# KiCad board pcb-solder.kicad_pcb
title: Synth Labs 060 Soldered PCB; date: 2021-09-14; rev: 1.0; company: 0xCB; note: Conor Burns
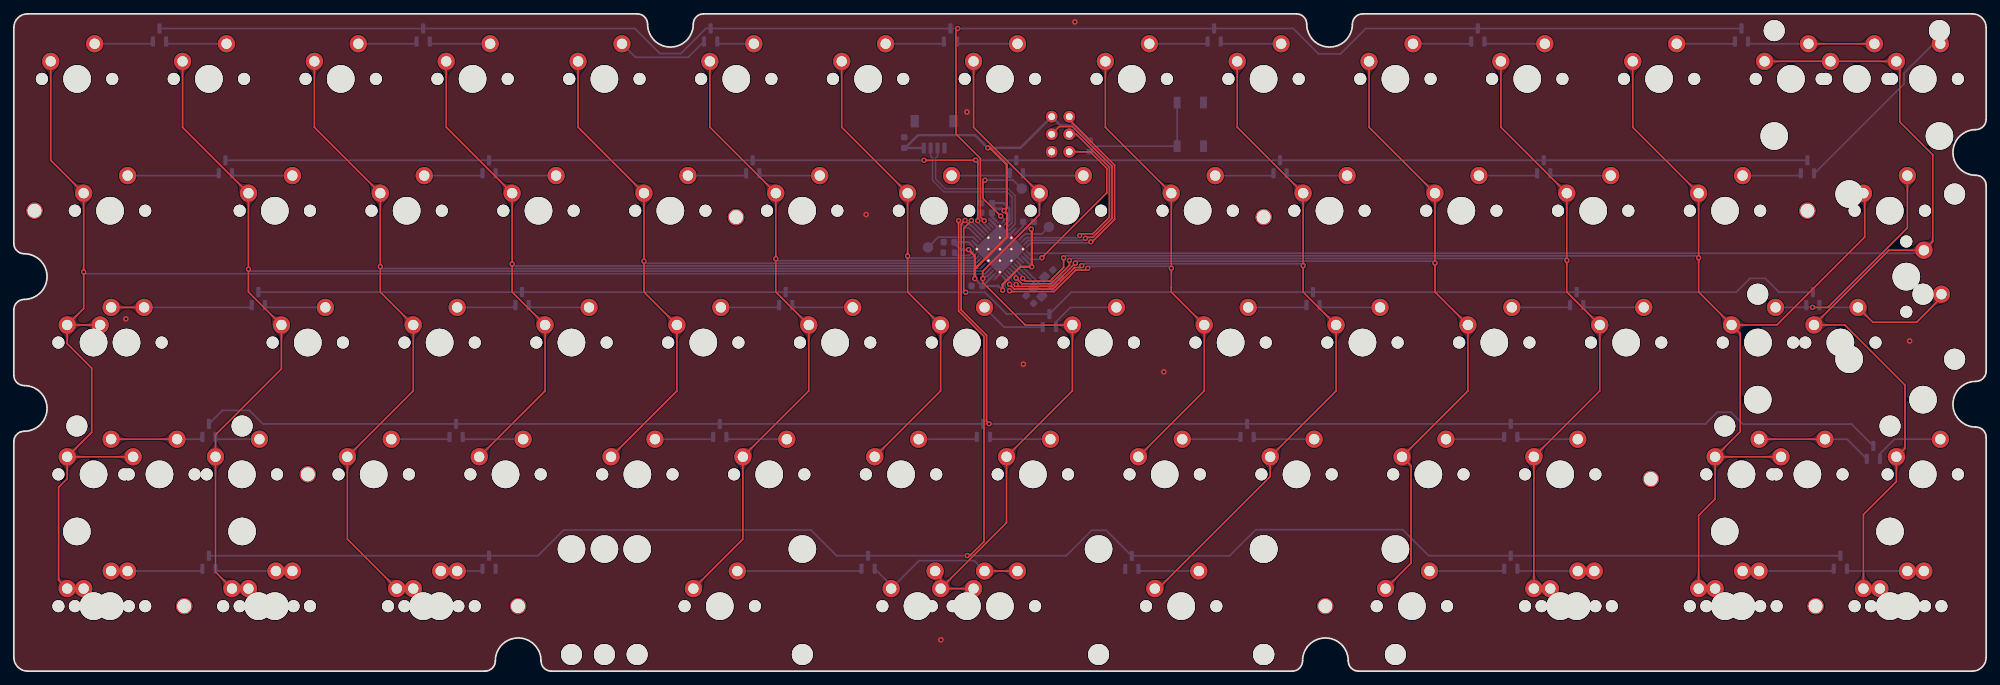
[diagram p0: board, top side]
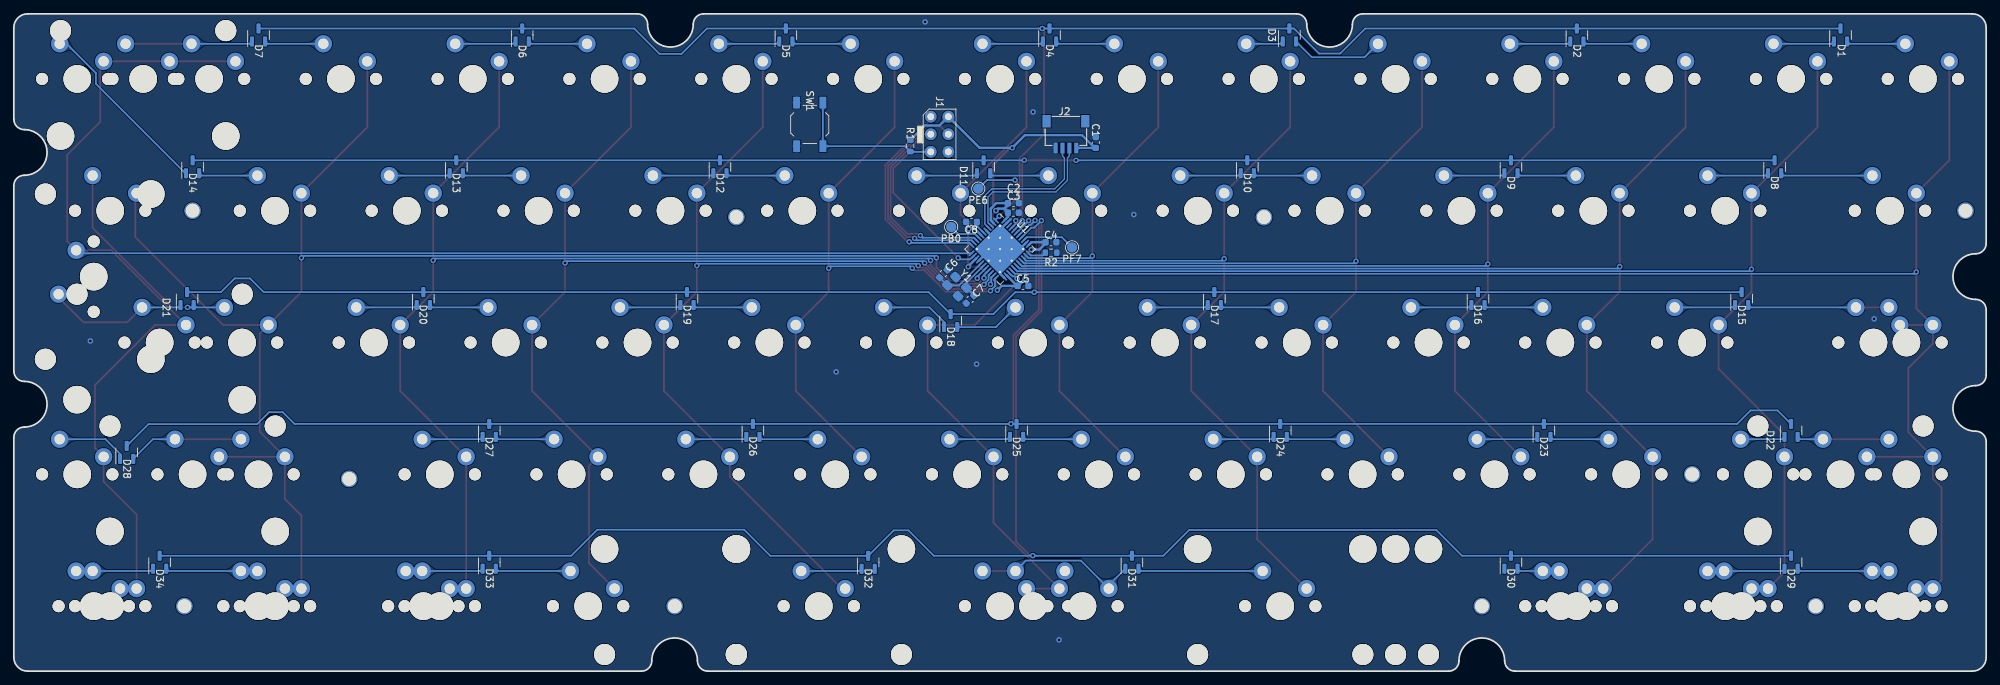
[diagram p1: board, bottom side, seen from below]

Outline 285 x 95 mm; copper layers: Top, Bottom. Coordinates in mm from the lower left corner of the outline.
Outline path: 0,93 0,61.83 arc(0.44,60.76) 1.5,60.33 arc(4.8,57.03) 1.5,53.72 arc(0.44,53.29) 0,52.22 0,42.78 arc(0.44,41.71) 1.5,41.28 arc(4.8,37.97) 1.5,34.68 arc(0.44,34.24) 0,33.18 0,2 arc(0.59,0.59) 2,0 68.08,0 arc(69.14,0.44) 69.58,1.5 arc(72.88,4.8) 76.18,1.5 arc(76.62,0.44) 77.68,0 184.72,0 arc(185.78,0.44) 186.22,1.5 arc(189.52,4.8) 192.82,1.5 arc(193.26,0.44) 194.32,0 283,0 arc(284.41,0.59) 285,2 285,33.78 arc(284.56,34.84) 283.5,35.28 arc(280.2,38.58) 283.5,41.88 arc(284.56,42.32) 285,43.38 285,70.17 arc(284.56,71.23) 283.5,71.67 arc(280.2,74.97) 283.5,78.27 arc(284.56,78.71) 285,79.77 285,93 arc(284.41,94.41) 283,95 194.92,95 arc(193.86,94.56) 193.42,93.5 arc(190.12,90.2) 186.83,93.5 arc(186.39,94.56) 185.33,95 99.67,95 arc(98.61,94.56) 98.17,93.5 arc(94.88,90.2) 91.57,93.5 arc(91.14,94.56) 90.07,95 2,95 arc(0.59,94.41) 0,93
Stack: Top 0.035mm / dielectric 1.51mm FR4 er 4.5 / Bottom 0.035mm

## Placement (name value [footprint] x y rotation side)
C1  1u  [C_0603_1608Metric]  128.66 76.4 270 bottom
C2  100n  [C_0603_1608Metric]  140.55 67.65 0 bottom
C3  100n  [C_0603_1608Metric]  140.56 66.26 0 bottom
C4  100n  [C_0603_1608Metric]  135.13 61.99 0 bottom
C5  100n  [C_0603_1608Metric]  139.17 55.68 0 bottom
C6  22p  [C_0603_1608Metric]  150.68 57.44 315 bottom
C7  22p  [C_0603_1608Metric]  146.82 53.72 135 bottom
C8  1u  [C_0603_1608Metric]  146.62 64.93 180 bottom
D1  BAV70  [SOT-23]  21.04 91.94 90 bottom
D2  BAV70  [SOT-23]  59.14 91.94 90 bottom
D3  BAV70  [SOT-23]  100.69 91.95 90 bottom
D4  BAV70  [SOT-23]  135.34 91.94 90 bottom
D5  BAV70  [SOT-23]  173.44 91.94 90 bottom
D6  BAV70  [SOT-23]  211.54 91.94 90 bottom
D7  BAV70  [SOT-23]  249.64 91.94 90 bottom
D8  BAV70  [SOT-23]  30.57 72.89 90 bottom
D9  BAV70  [SOT-23]  68.67 72.89 90 bottom
D10  BAV70  [SOT-23]  106.77 72.89 90 bottom
D11  BAV70  [SOT-23]  144.87 72.89 90 bottom
D12  BAV70  [SOT-23]  182.97 72.89 90 bottom
D13  BAV70  [SOT-23]  221.07 72.89 90 bottom
D14  BAV70  [SOT-23]  259.17 72.89 90 bottom
D15  BAV70  [SOT-23]  35.33 53.84 90 bottom
D16  BAV70  [SOT-23]  73.43 53.84 90 bottom
D17  BAV70  [SOT-23]  111.53 53.84 90 bottom
D18  BAV70  [SOT-23]  149.63 50.67 90 bottom
D19  BAV70  [SOT-23]  187.73 53.84 90 bottom
D20  BAV70  [SOT-23]  225.83 53.84 90 bottom
D21  BAV70  [SOT-23]  259.96 53.84 90 bottom
D22  BAV70  [SOT-23]  28.19 34.79 90 bottom
D23  BAV70  [SOT-23]  63.91 34.79 90 bottom
D24  BAV70  [SOT-23]  102.01 34.79 90 bottom
D25  BAV70  [SOT-23]  140.11 34.79 90 bottom
D26  BAV70  [SOT-23]  178.21 34.79 90 bottom
D27  BAV70  [SOT-23]  216.31 34.79 90 bottom
D28  BAV70  [SOT-23]  268.69 31.62 90 bottom
D29  BAV70  [SOT-23]  28.19 15.74 90 bottom
D30  BAV70  [SOT-23]  68.67 15.74 90 bottom
D31  BAV70  [SOT-23]  123.44 15.74 90 bottom
D32  BAV70  [SOT-23]  161.55 15.73 90 bottom
D33  BAV70  [SOT-23]  216.31 15.74 90 bottom
D34  BAV70  [SOT-23]  263.93 15.74 90 bottom
G***  LOGO  [oshw]  177.35 7.37 0 top
G***#2  LOGO  [oshwa]  184.28 7.29 0 top
G***#3  Synth Labs  [SL]  87.77 9.37 0 top
G***#4  -  [0xCB]  153.59 9.28 0 top
J1  AVR-ISP-6  [AVR_PROG_2.54_THT]  151.23 77.6 270 bottom
J2  Conn_01x04  [JST-SR-4]  132.97 80.38 0 bottom
MX1  2  [SW_Cherry_MX_PCB_2.00u]  266.31 85.59 0 top
MX2  MX  [SW_Cherry_MX_PCB_1.00u]  9.14 85.59 0 top
MX3  MX  [SW_Cherry_MX_PCB_1.00u]  28.19 85.59 0 top
MX4  MX  [SW_Cherry_MX_PCB_1.00u]  47.24 85.59 0 top
MX5  MX  [SW_Cherry_MX_PCB_1.00u]  66.29 85.59 0 top
MX6  MX  [SW_Cherry_MX_PCB_1.00u]  85.34 85.59 0 top
MX7  MX  [SW_Cherry_MX_PCB_1.00u]  104.39 85.59 0 top
MX8  MX  [SW_Cherry_MX_PCB_1.00u]  123.44 85.59 0 top
MX9  MX  [SW_Cherry_MX_PCB_1.00u]  142.49 85.59 0 top
MX10  MX  [SW_Cherry_MX_PCB_1.00u]  161.54 85.59 0 top
MX11  MX  [SW_Cherry_MX_PCB_1.00u]  180.59 85.59 0 top
MX12  MX  [SW_Cherry_MX_PCB_1.00u]  199.64 85.59 0 top
MX13  MX  [SW_Cherry_MX_PCB_1.00u]  218.69 85.59 0 top
MX14  MX  [SW_Cherry_MX_PCB_1.00u]  237.74 85.59 0 top
MX15  MX  [SW_Cherry_MX_PCB_1.00u]  256.79 85.59 0 top
MX16  MX  [SW_Cherry_MX_PCB_1.00u]  275.84 85.59 0 top
MX17  1.5  [SW_Cherry_MX_PCB_1.50u]  13.9 66.54 0 top
MX18  MX  [SW_Cherry_MX_PCB_1.00u]  37.71 66.54 0 top
MX19  MX  [SW_Cherry_MX_PCB_1.00u]  56.76 66.54 0 top
MX20  MX  [SW_Cherry_MX_PCB_1.00u]  75.81 66.54 0 top
MX21  MX  [SW_Cherry_MX_PCB_1.00u]  94.86 66.54 0 top
MX22  MX  [SW_Cherry_MX_PCB_1.00u]  113.91 66.54 0 top
MX23  MX  [SW_Cherry_MX_PCB_1.00u]  132.96 66.54 0 top
MX24  MX  [SW_Cherry_MX_PCB_1.00u]  152.01 66.54 0 top
MX25  MX  [SW_Cherry_MX_PCB_1.00u]  171.06 66.54 0 top
MX26  MX  [SW_Cherry_MX_PCB_1.00u]  190.11 66.54 0 top
MX27  MX  [SW_Cherry_MX_PCB_1.00u]  209.16 66.54 0 top
MX28  MX  [SW_Cherry_MX_PCB_1.00u]  228.21 66.54 0 top
MX29  MX  [SW_Cherry_MX_PCB_1.00u]  247.26 66.54 0 top
MX30  1.5  [SW_Cherry_MX_PCB_1.50u]  271.08 66.54 0 top
MX31  1.75  [SW_Cherry_MX_PCB_1.75u]  16.28 47.49 0 top
MX32  MX  [SW_Cherry_MX_PCB_1.00u]  42.48 47.49 0 top
MX33  MX  [SW_Cherry_MX_PCB_1.00u]  61.53 47.49 0 top
MX34  MX  [SW_Cherry_MX_PCB_1.00u]  80.58 47.49 0 top
MX35  MX  [SW_Cherry_MX_PCB_1.00u]  99.63 47.49 0 top
MX36  MX  [SW_Cherry_MX_PCB_1.00u]  118.68 47.49 0 top
MX37  MX  [SW_Cherry_MX_PCB_1.00u]  137.73 47.49 0 top
MX38  MX  [SW_Cherry_MX_PCB_1.00u]  156.78 47.49 0 top
MX39  MX  [SW_Cherry_MX_PCB_1.00u]  175.83 47.49 0 top
MX40  MX  [SW_Cherry_MX_PCB_1.00u]  194.88 47.49 0 top
MX41  MX  [SW_Cherry_MX_PCB_1.00u]  213.93 47.49 0 top
MX42  MX  [SW_Cherry_MX_PCB_1.00u]  232.98 47.49 0 top
MX43  MX  [SW_Cherry_MX_PCB_1.00u]  252.03 47.49 0 top
MX44  2.25  [SW_Cherry_MX_PCB_2.25u]  263.93 47.49 0 top
MX45  iso  [SW_Cherry_MX_PCB_ISOEnter_Rotated90]  273.46 57.02 270 top
MX46  2.25  [SW_Cherry_MX_PCB_2.25u]  21.04 28.44 0 top
MX47  1.25  [SW_Cherry_MX_PCB_1.25u]  11.52 28.44 0 top
MX48  MX  [SW_Cherry_MX_PCB_1.00u]  32.95 28.44 0 top
MX49  MX  [SW_Cherry_MX_PCB_1.00u]  52 28.44 0 top
MX50  MX  [SW_Cherry_MX_PCB_1.00u]  71.05 28.44 0 top
MX51  MX  [SW_Cherry_MX_PCB_1.00u]  90.1 28.44 0 top
MX52  MX  [SW_Cherry_MX_PCB_1.00u]  109.15 28.44 0 top
MX53  MX  [SW_Cherry_MX_PCB_1.00u]  128.2 28.44 0 top
MX54  MX  [SW_Cherry_MX_PCB_1.00u]  147.25 28.44 0 top
MX55  MX  [SW_Cherry_MX_PCB_1.00u]  166.3 28.44 0 top
MX56  MX  [SW_Cherry_MX_PCB_1.00u]  185.35 28.44 0 top
MX57  MX  [SW_Cherry_MX_PCB_1.00u]  204.4 28.44 0 top
MX58  MX  [SW_Cherry_MX_PCB_1.00u]  223.45 28.44 0 top
MX59  1.75  [SW_Cherry_MX_PCB_1.75u]  249.64 28.44 0 top
MX60  MX  [SW_Cherry_MX_PCB_1.00u]  275.84 28.44 0 top
MX61  2.75  [SW_Cherry_MX_PCB_2.75u]  259.17 28.44 0 top
MX62  1.5  [SW_Cherry_MX_PCB_1.50u]  13.9 9.39 0 top
MX63  1.25  [SW_Cherry_MX_PCB_1.25u]  11.52 9.39 0 top
MX64  MX  [SW_Cherry_MX_PCB_1.00u]  37.71 9.39 0 top
MX65  1.5  [SW_Cherry_MX_PCB_1.50u]  61.53 9.39 0 top
MX66  1.25  [SW_Cherry_MX_PCB_1.25u]  59.14 9.39 0 top
MX67  2.75  [SW_Cherry_MX_PCB_2.75u]  102.01 9.39 0 top
MX68  MX  [SW_Cherry_MX_PCB_1.00u]  137.73 9.39 0 top
MX69  2.25  [SW_Cherry_MX_PCB_2.25u]  168.68 9.39 0 top
MX70  1.25  [SW_Cherry_MX_PCB_1.25u]  202.02 9.39 0 top
MX71  1.25  [SW_Cherry_MX_PCB_1.25u]  225.83 9.39 0 top
MX72  MX  [SW_Cherry_MX_PCB_1.00u]  247.26 9.39 0 top
MX73  1.5  [SW_Cherry_MX_PCB_1.50u]  271.08 9.39 0 top
MX74  6.25  [SW_Cherry_MX_PCB_6.25u]  130.58 9.39 0 top
MX75  1.5  [SW_Cherry_MX_PCB_1.50u]  223.45 9.39 0 top
MX76  1.25  [SW_Cherry_MX_PCB_1.25u]  249.64 9.39 0 top
MX77  1.25  [SW_Cherry_MX_PCB_1.25u]  273.46 9.39 0 top
MX78  7  [SW_Cherry_MX_PCB_7.00u]  142.49 9.39 0 top
MX79  1.25  [SW_Cherry_MX_PCB_1.25u]  35.33 9.39 0 top
MX80  MX  [SW_Cherry_MX_PCB_1.25u]  11.52 47.49 0 top
NOREF  -  [unnamed]  24.62 9.4 0 top
NOREF#2  -  [unnamed]  42.48 28.45 0 top
NOREF#3  -  [unnamed]  236.54 27.79 0 top
NOREF#4  -  [unnamed]  72.86 9.4 0 top
NOREF#5  -  [unnamed]  2.99 66.55 0 top
NOREF#6  -  [unnamed]  189.51 9.4 0 top
NOREF#7  -  [unnamed]  104.36 65.61 0 top
NOREF#8  -  [unnamed]  260.36 9.4 0 top
NOREF#9  -  [unnamed]  180.59 65.63 0 top
NOREF#10  -  [unnamed]  259.17 66.55 0 top
PB0  TestPoint  [TestPoint_Pad_D1.5mm]  149.56 64.2 180 bottom
PE6  TestPoint  [TestPoint_Pad_D1.5mm]  145.64 69.74 180 bottom
PF7  TestPoint  [TestPoint_Pad_D1.5mm]  132.09 61.24 180 bottom
R1  10k  [R_0603_1608Metric]  155.47 75.92 90 bottom
R2  10k  [R_0603_1608Metric]  135.12 60.48 0 bottom
REF**  -  [Stabilizer_Cherry_MX_6.25u]  130.58 9.39 180 top
REF**#2  -  [Stabilizer_Cherry_MX_7u]  142.49 9.39 180 top
REF**#3  -  [Stabilizer_Cherry_MX_2u]  263.93 47.49 0 top
REF**#4  -  [Stabilizer_Cherry_MX_2u]  21.04 28.44 0 top
REF**#5  -  [Stabilizer_Cherry_MX_2u]  259.17 28.44 0 top
REF**#6  -  [Stabilizer_Cherry_MX_2u]  102.01 9.39 180 top
REF**#7  -  [Stabilizer_Cherry_MX_2u]  273.46 57.02 270 top
REF**#8  -  [Stabilizer_Cherry_MX_2u]  168.68 9.39 180 top
REF**#9  -  [Stabilizer_Cherry_MX_2u]  266.31 85.59 0 top
SW1  SW_Push  [SW_SPST_TL3342]  169.99 79.02 90 bottom
U1  ATMEGA32U4  [QFN-44-1EP_7x7mm_P0.5mm_EP5.2x5.2mm_ThermalVias]  142.49 60.99 225 bottom
Y1  16MHz  [Crystal_SMD_3225-4Pin_3.2x2.5mm]  148.74 55.58 225 bottom

## Library data of the parts
C1-C8 = -: Description: Unpolarized capacitor, small symbol
D1-D34 = -: Description: Dual 100V 215mA high-speed switching diodes, common cathode, SOT-23
J1 = -: Description: Atmel 6-pin ISP connector
J2 = -: Description: Generic connector, single row, 01x04, script generated (kicad-library-utils/schlib/autogen/connector/)
PB0 PE6 PF7 = -: Description: test point
R1 R2 = -: Description: Resistor
REF** REF**#2-REF**#9 = -: Field4: REF**
SW1 = -: Description: Push button switch, generic, two pins
Y1 = -: Description: Four pin crystal, GND on pins 2 and 4, small symbol

## Footprints (pads in the part's own frame, mm; a bottom-side part is the same pattern mirrored in y, then rotated)
AVR_PROG_2.54_THT
  round 1.7 hole 1: 1(-2.54,-1.27) 2(-2.54,1.27) 3(0,-1.27) 4(0,1.27) 5(2.54,-1.27) 6(2.54,1.27)
C_0603_1608Metric
  rrect 0.9x0.95 smd: 1(-0.775,0) 2(0.775,0)
Crystal_SMD_3225-4Pin_3.2x2.5mm
  rrect 1.4x1.2 smd: 1(-1.1,-0.85) 2(1.1,-0.85) 3(1.1,0.85) 4(-1.1,0.85)
JST-SR-4
  rect 1.2x1.8 smd: (-2.8,0.9) (2.8,0.9)
  rect 0.6x1.55 smd: 1(-1.5,4.775) 2(-0.5,4.775) 3(0.5,4.775) 4(1.5,4.775)
QFN-44-1EP_7x7mm_P0.5mm_EP5.2x5.2mm_ThermalVias
  rrect 1.007x1.007 smd: (-1.762,-1.762) (-1.762,-0.588) (-1.762,0.588) (-1.762,1.762) (-0.588,-1.762) (-0.588,-0.588) (-0.588,0.588) (-0.588,1.762) (0.588,-1.762) (0.588,-0.588) (0.588,0.588) (0.588,1.762) (1.762,-1.762) (1.762,-0.588) (1.762,0.588) (1.762,1.762)
  rrect 1.075x0.25 smd: 1(-3.337,2.5) 2(-3.337,2) 3(-3.337,1.5) 4(-3.337,1) 5(-3.337,0.5) 6(-3.337,0) 7(-3.337,-0.5) 8(-3.337,-1) 9(-3.337,-1.5) 10(-3.337,-2) 11(-3.337,-2.5) 23(3.337,-2.5) 24(3.337,-2) 25(3.337,-1.5) 26(3.337,-1) 27(3.337,-0.5) 28(3.337,0) 29(3.337,0.5) 30(3.337,1) 31(3.337,1.5) 32(3.337,2) 33(3.337,2.5)
  rrect 0.25x1.075 smd: 12(-2.5,-3.337) 13(-2,-3.337) 14(-1.5,-3.337) 15(-1,-3.337) 16(-0.5,-3.337) 17(0,-3.337) 18(0.5,-3.337) 19(1,-3.337) 20(1.5,-3.337) 21(2,-3.337) 22(2.5,-3.337) 34(2.5,3.337) 35(2,3.337) 36(1.5,3.337) 37(1,3.337) 38(0.5,3.337) 39(0,3.337) 40(-0.5,3.337) 41(-1,3.337) 42(-1.5,3.337) 43(-2,3.337) 44(-2.5,3.337)
  round 0.5 hole 0.3: 45(-2.35,-2.35) 45(-2.35,0) 45(-2.35,2.35) 45(-1.175,-1.175) 45(-1.175,1.175) 45(0,-2.35) 45(0,0) 45(0,2.35) 45(1.175,-1.175) 45(1.175,1.175) 45(2.35,-2.35) 45(2.35,0) 45(2.35,2.35)
  rect 5.2x5.2 smd: 45(0,0) 45(0,0)
R_0603_1608Metric
  rrect 0.8x0.95 smd: 1(-0.825,0) 2(0.825,0)
SOT-23
  rrect 1.475x0.6 smd: 1(-0.938,0.95) 2(-0.938,-0.95) 3(0.938,0)
Stabilizer_Cherry_MX_2u
  round 3.048 hole 3.048 unplated: (-11.938,6.985) (11.938,6.985)
  round 3.988 hole 3.988 unplated: (-11.938,-8.255) (11.938,-8.255)
Stabilizer_Cherry_MX_6.25u
  round 3.048 hole 3.048 unplated: (-50,6.985) (50,6.985)
  round 3.988 hole 3.988 unplated: (-50,-8.255) (50,-8.255)
Stabilizer_Cherry_MX_7u
  round 3.048 hole 3.048 unplated: (-57.15,6.985) (57.15,6.985)
  round 3.988 hole 3.988 unplated: (-57.15,-8.255) (57.15,-8.255)
SW_Cherry_MX_PCB_1.00u
  round 1.75 hole 1.75 unplated: (-5.08,0) (5.08,0)
  round 4 hole 4 unplated: (0,0)
  round 2.5 hole 1.5: 1(-3.81,2.54) 2(2.54,5.08)
SW_Cherry_MX_PCB_1.25u
  round 1.75 hole 1.75 unplated: (-5.08,0) (5.08,0)
  round 4 hole 4 unplated: (0,0)
  round 2.5 hole 1.5: 1(-3.81,2.54) 2(2.54,5.08)
SW_Cherry_MX_PCB_1.50u
  round 1.75 hole 1.75 unplated: (-5.08,0) (5.08,0)
  round 4 hole 4 unplated: (0,0)
  round 2.5 hole 1.5: 1(-3.81,2.54) 2(2.54,5.08)
SW_Cherry_MX_PCB_1.75u
  round 1.75 hole 1.75 unplated: (-5.08,0) (5.08,0)
  round 4 hole 4 unplated: (0,0)
  round 2.5 hole 1.5: 1(-3.81,2.54) 2(2.54,5.08)
SW_Cherry_MX_PCB_2.00u
  round 1.75 hole 1.75 unplated: (-5.08,0) (5.08,0)
  round 4 hole 4 unplated: (0,0)
  round 2.5 hole 1.5: 1(-3.81,2.54) 2(2.54,5.08)
SW_Cherry_MX_PCB_2.25u
  round 1.75 hole 1.75 unplated: (-5.08,0) (5.08,0)
  round 4 hole 4 unplated: (0,0)
  round 2.5 hole 1.5: 1(-3.81,2.54) 2(2.54,5.08)
SW_Cherry_MX_PCB_2.75u
  round 1.75 hole 1.75 unplated: (-5.08,0) (5.08,0)
  round 4 hole 4 unplated: (0,0)
  round 2.5 hole 1.5: 1(-3.81,2.54) 2(2.54,5.08)
SW_Cherry_MX_PCB_6.25u
  round 1.75 hole 1.75 unplated: (-5.08,0) (5.08,0)
  round 4 hole 4 unplated: (0,0)
  round 2.5 hole 1.5: 1(-3.81,2.54) 2(2.54,5.08)
SW_Cherry_MX_PCB_7.00u
  round 1.75 hole 1.75 unplated: (-5.08,0) (5.08,0)
  round 4 hole 4 unplated: (0,0)
  round 2.5 hole 1.5: 1(-3.81,2.54) 2(2.54,5.08)
SW_Cherry_MX_PCB_ISOEnter_Rotated90
  round 1.75 hole 1.75 unplated: (-5.08,0) (5.08,0)
  round 4 hole 4 unplated: (0,0)
  round 2.5 hole 1.5: 1(-3.81,2.54) 2(2.54,5.08)
SW_SPST_TL3342
  rect 1.7x1 smd: 1(-3.15,1.9) 1(3.15,1.9) 2(-3.15,-1.9) 2(3.15,-1.9)
TestPoint_Pad_D1.5mm
  round 1.5 smd: 1(0,0)
unnamed
  round 2.4 hole 2 unplated: (0,0)

## Nets
GND: C1.1 C2.1 C3.1 C4.1 C5.1 C6.1 C7.1 C8.1 J1.6 J2.4 R2.1 SW1.1 U1.5 U1.15 U1.23 U1.35 U1.43 U1.45 Y1.2 Y1.4
VCC: C1.2 C2.2 C3.2 C4.2 C5.2 J1.2 J2.1 R1.2 U1.2 U1.7 U1.14 U1.24 U1.34 U1.44
/D+: J2.3 U1.4
/D-: J2.2 U1.3
/MISO: J1.1 U1.11
/MOSI: J1.4 U1.10
/SCK: J1.3 U1.9
/XTAL1: C6.2 U1.16 Y1.1
/XTAL2: C7.2 U1.17 Y1.3
C0: MX2.1 MX17.1 MX31.1 MX46.1 MX47.1 MX62.1 MX63.1 MX80.1 U1.26
C1: MX3.1 MX18.1 MX32.1 MX48.1 MX64.1 MX79.1 U1.27
C2: MX4.1 MX19.1 MX33.1 MX49.1 MX65.1 MX66.1 U1.28
C3: MX5.1 MX20.1 MX34.1 MX50.1 U1.29
C4: MX6.1 MX21.1 MX35.1 MX51.1 U1.30
C5: MX7.1 MX22.1 MX36.1 MX52.1 MX67.1 U1.31
C6: MX8.1 MX23.1 MX37.1 MX53.1 U1.32
C7: MX9.1 MX24.1 MX38.1 MX54.1 MX68.1 MX74.2 MX78.1 U1.25
C8: MX10.1 MX25.1 MX39.1 MX55.1 U1.22
C9: MX11.1 MX26.1 MX40.1 MX56.1 MX69.1 U1.21
C10: MX12.1 MX27.1 MX41.1 MX57.1 MX70.1 U1.20
C11: MX13.1 MX28.1 MX42.1 MX58.1 MX71.1 MX75.1 U1.19
C12: MX14.1 MX29.1 MX30.1 MX43.1 MX59.1 MX61.1 MX72.1 MX76.1 U1.18
C13: MX1.1 MX15.1 MX16.1 MX44.1 MX45.1 MX60.1 MX73.1 MX77.1 U1.12
R0: D1.3 D2.3 D3.3 D4.3 D5.3 D6.3 D7.3 U1.41
R1: D8.3 D9.3 D10.3 D11.3 D12.3 D13.3 D14.3 U1.40
R2: D15.3 D16.3 D17.3 D18.3 D19.3 D20.3 D21.3 U1.39
R3: D22.3 D23.3 D24.3 D25.3 D26.3 D27.3 D28.3 U1.38
R4: D29.3 D30.3 D31.3 D32.3 D33.3 D34.3 U1.37
RST: J1.5 R1.1 SW1.2 U1.13
Net-(D1-A1): D1.1 MX3.2
Net-(D1-A2): D1.2 MX2.2
Net-(D2-A1): D2.1 MX5.2
Net-(D2-A2): D2.2 MX4.2
Net-(D3-A1): D3.1 MX7.2
Net-(D3-A2): D3.2 MX6.2
Net-(D4-A1): D4.1 MX9.2
Net-(D4-A2): D4.2 MX8.2
Net-(D5-A1): D5.1 MX11.2
Net-(D5-A2): D5.2 MX10.2
Net-(D6-A1): D6.1 MX13.2
Net-(D6-A2): D6.2 MX12.2
Net-(D7-A1): D7.1 MX1.2 MX15.2
Net-(D7-A2): D7.2 MX14.2
Net-(D8-A1): D8.1 MX18.2
Net-(D8-A2): D8.2 MX17.2
Net-(D9-A1): D9.1 MX20.2
Net-(D9-A2): D9.2 MX19.2
Net-(D10-A1): D10.1 MX22.2
Net-(D10-A2): D10.2 MX21.2
Net-(D11-A1): D11.1 MX24.2
Net-(D11-A2): D11.2 MX23.2
Net-(D12-A1): D12.1 MX26.2
Net-(D12-A2): D12.2 MX25.2
Net-(D13-A1): D13.1 MX28.2
Net-(D13-A2): D13.2 MX27.2
Net-(D14-A1): D14.1 MX16.2
Net-(D14-A2): D14.2 MX29.2
Net-(D15-A1): D15.1 MX32.2
Net-(D15-A2): D15.2 MX31.2 MX80.2
Net-(D16-A1): D16.1 MX34.2
Net-(D16-A2): D16.2 MX33.2
Net-(D17-A1): D17.1 MX36.2
Net-(D17-A2): D17.2 MX35.2
Net-(D18-A1): D18.1 MX38.2
Net-(D18-A2): D18.2 MX37.2
Net-(D19-A1): D19.1 MX40.2
Net-(D19-A2): D19.2 MX39.2
Net-(D20-A1): D20.1 MX42.2
Net-(D20-A2): D20.2 MX41.2
Net-(D21-A1): D21.1 MX44.2 MX45.2
Net-(D21-A2): D21.2 MX30.2 MX43.2
Net-(D22-A1): D22.1 MX48.2
Net-(D22-A2): D22.2 MX46.2 MX47.2
Net-(D23-A1): D23.1 MX50.2
Net-(D23-A2): D23.2 MX49.2
Net-(D24-A1): D24.1 MX52.2
Net-(D24-A2): D24.2 MX51.2
Net-(D25-A1): D25.1 MX54.2
Net-(D25-A2): D25.2 MX53.2
Net-(D26-A1): D26.1 MX56.2
Net-(D26-A2): D26.2 MX55.2
Net-(D27-A1): D27.1 MX58.2
Net-(D27-A2): D27.2 MX57.2
Net-(D28-A1): D28.1 MX60.2
Net-(D28-A2): D28.2 MX59.2 MX61.2
Net-(D29-A1): D29.1 MX64.2 MX79.2
Net-(D29-A2): D29.2 MX62.2 MX63.2
Net-(D30-A2): D30.2 MX65.2 MX66.2
Net-(D31-A1): D31.1 MX68.2 MX74.1 MX78.2
Net-(D31-A2): D31.2 MX67.2
Net-(D32-A1): D32.1 MX69.2
Net-(D33-A1): D33.1 MX71.2 MX75.2
Net-(D33-A2): D33.2 MX70.2
Net-(D34-A1): D34.1 MX73.2 MX77.2
Net-(D34-A2): D34.2 MX72.2 MX76.2
Net-(U1-PB0): PB0.1 U1.8
Net-(U1-PE2/~{HWB}): R2.2 U1.33
Net-(U1-PE6): PE6.1 U1.1
Net-(U1-PF7): PF7.1 U1.36
Net-(U1-UCap): C8.2 U1.6

Pads without a net: D30 1; D32 2; U1 42

## Via types
v1: diameter 0.8, hole 0.4, Top to Bottom, 56 vias

## Routing (per net, layer and track width the routed paths; a pad name or vN(x,y) marks a point on that pad's centre or on a via; arc(x,y) is an arc through that point)
GND: length 20.8
  Bottom w0.35: U1.45 142.49,61.69 U1.5 ; U1.45 142.49,63.82 U1.43 141.52,64.76 140.97,65.32 ; U1.45 142.49,57.46 141.9,56.86 U1.23 ; U1.45 143.9,60.99 U1.15 ; U1.45 139.66,60.99 U1.35
  vias: v1(16.19,50.91) v1(123.16,65.99) v1(133.96,4.53) v1(137.72,80.82) v1(145.88,44.37) v1(153.32,93.84) v1(166.17,43.26) v1(273.95,47.72)
VCC: length 99
  Top w0.35: v1(147.02,63.89) 147.1,63.82 v1(147.1,58.44) 145.42,58.44 142.88,55.9 v1(142.88,55.05) ; v1(140.73,75.63) 141.05,75.63 143.48,73.2 143.48,66.96 v1(143.08,66.56) 143.08,66.54 143.53,66.09 143.53,62.81 138.86,58.14 v1(138.86,56.72) 138.86,60.03 v1(137.97,60.93)
  Bottom w0.35: 141.87,66.85 142.8,66.85 v1(143.08,66.56) ; 141.87,66.85 141.34,66.31 C3.2 141.34,65.67 U1.44 ; 141.87,66.85 141.33,67.39 C2.2 143.05,67.65 143.83,66.86 143.83,65.16 U1.2 ; v1(140.73,75.63) 140.72,75.63 ; v1(140.73,75.63) 145.46,75.63 J1.2 151.23,78.87 153.34,78.87 R1.2 ; v1(140.73,75.63) 138.89,77.47 130.65,77.47 128.8,75.62 C1.2 131.46,75.62 J2.1 ; C5.2 139.91,55.68 v1(138.86,56.72) ; C5.2 142.26,55.68 v1(142.88,55.05) ; C5.2 140,55.68 U1.24 ; v1(147.1,58.44) 147.1,58.5 U1.14 ; v1(137.97,60.93) 136.81,60.93 135.91,61.83 C4.2 137.95,61.99 U1.34 ; U1.7 146.21,64 146.91,64 v1(147.02,63.89)
/D+: length 22
  Bottom w0.2: U1.4 144.14,64.09 144.69,64.64 144.69,68.72 143.69,69.72 134.6,69.72 133.2,71.12 133.2,74.17 133.47,74.44 J2.3
/D-: length 21.6
  Bottom w0.2: J2.2 132.47,74.44 132.75,74.17 132.75,70.93 134.41,69.27 143.5,69.27 144.24,68.54 144.24,64.82 143.82,64.41 U1.3
/MISO: length 31.6
  Top w0.25: v1(155.62,62.05) 155.82,62.05 159.07,65.3 159.07,73.13 152.5,79.69 J1.1
  Bottom w0.25: v1(155.62,62.05) 155.47,61.9 146.93,61.9 U1.11
/MOSI: length 33
  Top w0.25: v1(154.84,62.55) 154.99,62.71 155.94,62.71 158.69,65.45 158.69,72.97 152.96,78.7 151.07,78.7 J1.4
  Bottom w0.25: U1.10 146.6,62.28 154.56,62.28 v1(154.84,62.55)
/SCK: length 28.8
  Top w0.25: v1(154.01,62.96) 154.25,63.21 155.91,63.21 158.31,65.61 158.31,72.82 153.53,77.6 J1.3
  Bottom w0.25: U1.9 146.28,62.65 153.7,62.65 v1(154.01,62.96)
/XTAL1: length 7.8
  Bottom w0.25: U1.16 148.42,55.76 Y1.1 150.12,55.78 C6.2
/XTAL2: length 5.8
  Bottom w0.25: U1.17 147.36,56.12 Y1.3 146.27,54.32 C7.2
C0: length 230.8
  Top w0.25: MX80.1 MX31.1 ; MX80.1 7.71,47.34 11.25,43.8 11.25,34.52 MX47.1 ; MX80.1 10.09,52.41 10.09,57.69 v1(10.09,57.69) 10.09,57.7 MX17.1 5.33,73.85 MX2.1 ; MX47.1 7.71,27.81 6.46,26.56 6.46,13.18 MX63.1 MX62.1 ; MX47.1 MX46.1
  Bottom w0.25: v1(10.09,57.69) 10.35,57.43 140.35,57.43 U1.26
C1: length 196.3
  Top w0.25: MX3.1 24.38,78.61 MX18.1 33.9,54.8 MX32.1 38.67,43.68 29.14,34.16 MX48.1 29.14,14.31 MX79.1 MX64.1
  Bottom w0.25: v1(33.9,58.09) 34.18,57.81 140.02,57.81 U1.27
C2: length 178.9
  Top w0.25: MX65.1 MX66.1 48.19,19.08 MX49.1 57.72,40.51 MX33.1 52.95,54.8 52.95,69.08 43.43,78.61 MX4.1
  Bottom w0.25: v1(52.95,58.46) 53.23,58.19 139.69,58.19 U1.28
C3: length 135.1
  Top w0.25: MX50.1 76.77,40.51 MX34.1 72,54.8 v1(72,58.84) MX20.1 62.48,78.61 MX5.1
  Bottom w0.25: U1.29 139.36,58.57 72.28,58.57 v1(72,58.84)
C4: length 115.7
  Top w0.25: MX51.1 95.82,40.51 MX35.1 91.05,54.8 v1(91.05,59.25) MX21.1 81.53,78.61 MX6.1
  Bottom w0.25: v1(91.05,59.25) 91.36,58.94 139.03,58.94 U1.30
C5: length 118.3
  Top w0.25: MX7.1 100.58,78.61 MX22.1 v1(110.1,59.61) 110.1,54.8 MX36.1 114.87,40.51 MX52.1 105.34,19.08 MX67.1
  Bottom w0.25: v1(110.1,59.61) 110.39,59.32 138.7,59.32 U1.31
C6: length 76.8
  Top w0.25: MX8.1 119.63,78.61 MX23.1 v1(129.15,60) 129.15,54.8 MX37.1 133.92,40.51 MX53.1
  Bottom w0.25: v1(129.15,60) 129.45,59.7 138.37,59.7 U1.32
C7: length 109.9
  Top w0.25: MX74.2 133.92,13.68 MX68.1 ; MX78.1 MX68.1 ; MX68.1 143.44,21.46 MX54.1 152.97,40.51 MX38.1 152.95,50.02 146.15,50.02 140.02,56.15 v1(140.02,56.73) 140.02,57.81 148.2,65.99 MX24.1 138.68,78.61 MX9.1
  Bottom w0.25: U1.25 140.68,57.06 140.34,57.06 v1(140.02,56.73)
C8: length 94.3
  Top w0.25: v1(143.88,54.98) 144,54.86 150.33,54.86 153.43,57.96 154.9,57.96 v1(155.18,58.23) ; MX10.1 157.73,78.61 MX25.1 167.25,58.24 v1(167.26,58.23) 167.26,55.44 167.25,55.43 167.25,54.8 MX39.1 172.02,40.51 MX55.1
  Bottom w0.25: v1(167.26,58.23) 166.98,58.51 155.45,58.51 v1(155.18,58.23) ; U1.22 143.23,56.71 143.23,55.63 v1(143.88,54.98)
C9: length 139.1
  Top w0.25: MX11.1 176.78,78.61 MX26.1 186.3,58.62 v1(186.31,58.61) 186.3,58.6 186.3,54.8 MX40.1 191.07,40.51 MX56.1 181.54,28.12 165.36,11.93 MX69.1 ; v1(143.88,55.91) 144.55,55.23 150.17,55.23 153.27,58.34 154.04,58.34 v1(154.32,58.61)
  Bottom w0.25: v1(154.32,58.61) 154.59,58.89 186.04,58.89 v1(186.31,58.61) ; U1.21 143.78,56.87 143.78,56.01 v1(143.88,55.91)
C10: length 152.5
  Top w0.25: v1(153.39,58.99) 150.01,55.61 145.1,55.61 v1(144.82,55.89) ; MX70.1 201.88,15.61 201.88,29.69 MX57.1 210.12,40.51 MX41.1 205.35,54.8 205.35,58.98 v1(205.36,58.99) 205.35,58.99 MX27.1 195.83,78.61 MX12.1
  Bottom w0.25: U1.20 144.15,57.2 144.15,56.55 v1(144.82,55.89) ; v1(153.39,58.99) 153.67,59.26 205.08,59.26 v1(205.36,58.99)
C11: length 171.8
  Top w0.25: v1(144.81,56.82) 145.64,55.99 149.86,55.99 152.53,58.66 v1(152.53,59.37) ; MX71.1 MX75.1 MX58.1 229.17,40.51 MX42.1 224.4,54.8 224.4,59.35 v1(224.42,59.37) 224.4,59.38 MX28.1 214.88,78.61 MX13.1
  Bottom w0.25: v1(224.42,59.37) 224.14,59.64 152.81,59.64 v1(152.53,59.37) ; U1.19 144.81,57.25 v1(144.81,56.82)
C12: length 230.2
  Top w0.25: 267.45,69.08 267.45,62.74 254.74,50.03 MX43.1 ; MX14.1 233.93,78.61 MX29.1 243.45,59.75 v1(243.45,59.74) 243.45,59.74 243.45,54.8 MX43.1 ; MX59.1 249.47,34.61 249.47,48.78 MX43.1 ; MX59.1 245.83,24.89 243.45,22.5 MX72.1 MX76.1 ; MX59.1 MX61.1 ; v1(151.69,59.74) 151.69,58.35 149.7,56.37 146.19,56.37 v1(145.78,56.77)
  Bottom w0.25: v1(243.45,59.74) 243.17,60.02 151.96,60.02 v1(151.69,59.74) ; v1(145.78,56.77) 145.78,56.99 U1.18
C13: length 250
  Top w0.25: MX15.1 MX16.1 272.52,87.64 272.52,79.39 277.28,74.62 277.28,62.12 MX45.1 270.92,60.83 MX44.1 264.58,50.03 273.28,41.33 273.28,32.23 MX60.1 272.03,27.4 267.27,22.64 MX73.1 MX77.1
  Bottom w0.25: U1.12 275.56,60.4 MX45.1
R0: length 265.5
  Top w0.25: v1(140.22,65.11) 139.67,65.66 139.67,74.09 136.14,77.62 136.14,92.63 v1(136.39,92.88)
  Bottom w0.25: v1(140.22,65.11) 140.22,64.67 U1.41 ; D7.3 D6.3 195.36,92.88 191.69,89.21 188.52,89.21 184.85,92.88 D5.3 v1(136.39,92.88) D4.3 100.69,92.88 D3.3 100.02,92.89 96.39,89.26 93.35,89.26 89.73,92.88 D2.3 D1.3
R1: length 239.4
  Top w0.25: v1(131.51,73.83) 138.94,73.83 v1(138.97,73.86) 139.29,73.54 v1(139.29,65.11)
  Bottom w0.25: v1(138.97,73.86) 139.01,73.83 D11.3 D14.3 ; v1(131.51,73.83) 131.51,73.83 D10.3 D8.3 ; U1.40 140.48,63.72 139.29,64.91 v1(139.29,65.11)
R2: length 242.3
  Top w0.25: v1(137.54,54.76) 137.27,55.03 137.27,64.03 v1(138.37,65.13)
  Bottom w0.25: D15.3 D17.3 137.52,54.78 v1(137.54,54.76) 140.31,54.76 143.46,51.61 D18.3 152.81,54.78 D19.3 D20.3 248.89,54.78 250.87,56.76 253.09,56.76 255.07,54.78 D21.3 ; v1(138.37,65.13) 138.37,65.09 140.11,63.35
R3: length 279.4
  Top w0.25: v1(140.92,35.75) 140.56,36.12 140.56,48.55 136.89,52.22 136.89,64.58 137.44,65.13 v1(137.44,65.15)
  Bottom w0.25: D28.3 265.55,35.7 249.85,35.7 248.12,37.43 246.14,37.43 244.44,35.73 216.31,35.73 D27.3 140.95,35.73 v1(140.92,35.75) 140.9,35.73 D23.3 35.99,35.73 34.03,37.69 30.15,37.69 D22.3 ; v1(137.44,65.15) 137.44,65.13 138.09,64.47 138.29,64.47 139.77,62.99 U1.38
R4: length 300.1
  Top w0.25: v1(137.76,16.71) 138.15,16.71 140.18,18.73 140.18,48.39 136.51,52.06 v1(136.51,65.13)
  Bottom w0.25: D29.3 75.73,16.68 79.45,20.4 115.17,20.4 118.89,16.68 D31.3 123.44,16.68 137.74,16.68 v1(137.76,16.71) 137.79,16.68 152.06,16.68 155.73,20.35 157.85,20.35 161.53,16.67 175.69,16.67 179.47,20.45 200.69,20.45 204.46,16.68 D33.3 D34.3 ; U1.37 137.97,64.1 137.54,64.1 v1(136.51,65.13)
RST: length 48.1
  Top w0.25: J1.5 155.53,75.06 157.93,72.66 157.93,69.15 148.55,59.77 v1(148.55,59.74)
  Bottom w0.25: U1.13 146.31,60.04 146.84,59.51 148.32,59.51 v1(148.55,59.74) ; SW1.2 SW1.2 156.25,75.87 R1.1 155.44,75.06 J1.5
Net-(D1-A1): length 8.9
  Bottom w0.25: MX3.2 22.33,90.67 D1.1
Net-(D1-A2): length 8.6
  Bottom w0.25: D1.2 19.76,90.67 MX2.2
Net-(D2-A1): length 8.9
  Bottom w0.25: D2.1 60.43,90.67 MX5.2
Net-(D2-A2): length 8.6
  Bottom w0.25: D2.2 57.86,90.67 MX4.2
Net-(D3-A1): length 5.4
  Bottom w0.25: D3.1 101.98,90.67 MX7.2
Net-(D3-A2): length 13.6
  Bottom w0.25: MX6.2 89.83,88.72 97.45,88.72 D3.2
Net-(D4-A1): length 8.9
  Bottom w0.25: MX9.2 136.63,90.67 D4.1
Net-(D4-A2): length 8.6
  Bottom w0.25: D4.2 134.06,90.67 MX8.2
Net-(D5-A1): length 8.9
  Bottom w0.25: MX11.2 174.73,90.67 D5.1
Net-(D5-A2): length 8.6
  Bottom w0.25: D5.2 172.16,90.67 MX10.2
Net-(D6-A1): length 8.9
  Bottom w0.25: MX13.2 212.83,90.67 D6.1
Net-(D6-A2): length 8.6
  Bottom w0.25: D6.2 210.26,90.67 MX12.2
Net-(D7-A1): length 18.4
  Top w0.25: MX15.2 268.85,90.67
  Bottom w0.25: D7.1 250.93,90.67 MX15.2
Net-(D7-A2): length 8.6
  Bottom w0.25: D7.2 248.36,90.67 MX14.2
Net-(D8-A1): length 8.9
  Bottom w0.25: MX18.2 31.85,71.62 D8.1
Net-(D8-A2): length 13.3
  Bottom w0.25: D8.2 29.29,71.62 MX17.2
Net-(D9-A1): length 8.9
  Bottom w0.25: D9.1 69.95,71.62 MX20.2
Net-(D9-A2): length 8.6
  Bottom w0.25: MX19.2 67.39,71.62 D9.2
Net-(D10-A1): length 8.9
  Bottom w0.25: MX22.2 108.05,71.62 D10.1
Net-(D10-A2): length 8.6
  Bottom w0.25: D10.2 105.49,71.62 MX21.2
Net-(D11-A1): length 8.9
  Bottom w0.25: D11.1 146.15,71.62 MX24.2
Net-(D11-A2): length 8.6
  Bottom w0.25: D11.2 143.59,71.62 MX23.2
Net-(D12-A1): length 8.9
  Bottom w0.25: MX26.2 184.25,71.62 D12.1
Net-(D12-A2): length 8.6
  Bottom w0.25: D12.2 181.69,71.62 MX25.2
Net-(D13-A1): length 8.9
  Bottom w0.25: D13.1 222.35,71.62 MX28.2
Net-(D13-A2): length 8.6
  Bottom w0.25: MX27.2 219.79,71.62 D13.2
Net-(D14-A1): length 26.9
  Bottom w0.25: MX16.2 277.38,90.67 273.14,86.43 273.14,84.89 260.21,71.96 D14.1
Net-(D14-A2): length 8.6
  Bottom w0.25: D14.2 257.89,71.62 MX29.2
Net-(D15-A1): length 8.9
  Bottom w0.25: D15.1 36.61,52.57 MX32.2
Net-(D15-A2): length 20.5
  Top w0.25: MX80.2 MX31.2
  Bottom w0.25: D15.2 34.05,52.57 MX31.2
Net-(D16-A1): length 8.9
  Bottom w0.25: D16.1 74.71,52.57 MX34.2
Net-(D16-A2): length 8.6
  Bottom w0.25: MX33.2 72.15,52.57 D16.2
Net-(D17-A1): length 8.9
  Bottom w0.25: D17.1 112.81,52.57 MX36.2
Net-(D17-A2): length 8.6
  Bottom w0.25: MX35.2 110.25,52.57 D17.2
Net-(D18-A1): length 10.3
  Bottom w0.25: MX38.2 152.69,52.57 150.58,50.47 D18.1
Net-(D18-A2): length 9.6
  Bottom w0.25: D18.2 143.09,49.73 140.27,52.55 MX37.2
Net-(D19-A1): length 8.9
  Bottom w0.25: D19.1 189.01,52.57 MX40.2
Net-(D19-A2): length 8.6
  Bottom w0.25: MX39.2 186.45,52.57 D19.2
Net-(D20-A1): length 8.9
  Bottom w0.25: D20.1 227.11,52.57 MX42.2
Net-(D20-A2): length 8.6
  Bottom w0.25: D20.2 224.55,52.57 MX41.2
Net-(D21-A1): length 20.6
  Top w0.25: MX44.2 268.63,50.42 274.94,50.42 278.54,54.02 MX45.2
  Bottom w0.25: D21.1 261.25,52.57 MX44.2
Net-(D21-A2): length 31.6
  Top w0.25: v1(259.91,52.58) 262.12,52.58 273.62,64.07 MX30.2
  Bottom w0.25: MX43.2 258.68,52.57 D21.2 259.34,52.58 v1(259.91,52.58)
Net-(D22-A1): length 6.5
  Bottom w0.25: D22.1 29.47,33.52 MX48.2
Net-(D22-A2): length 13.3
  Top w0.25: MX47.2 MX46.2
  Bottom w0.25: MX46.2 26.91,33.52 D22.2
Net-(D23-A1): length 8.9
  Bottom w0.25: D23.1 65.19,33.52 MX50.2
Net-(D23-A2): length 8.6
  Bottom w0.25: MX49.2 62.62,33.52 D23.2
Net-(D24-A1): length 8.9
  Bottom w0.25: D24.1 103.29,33.52 MX52.2
Net-(D24-A2): length 8.6
  Bottom w0.25: MX51.2 100.72,33.52 D24.2
Net-(D25-A1): length 8.9
  Bottom w0.25: D25.1 141.39,33.52 MX54.2
Net-(D25-A2): length 8.6
  Bottom w0.25: D25.2 138.82,33.52 MX53.2
Net-(D26-A1): length 8.9
  Bottom w0.25: MX56.2 179.49,33.52 D26.1
Net-(D26-A2): length 8.6
  Bottom w0.25: D26.2 176.92,33.52 MX55.2
Net-(D27-A1): length 8.9
  Bottom w0.25: MX58.2 217.59,33.52 D27.1
Net-(D27-A2): length 8.6
  Bottom w0.25: D27.2 215.02,33.52 MX57.2
Net-(D28-A1): length 10.3
  Bottom w0.25: MX60.2 271.75,33.52 269.64,31.42 D28.1
Net-(D28-A2): length 16.7
  Top w0.25: MX59.2 MX61.2
  Bottom w0.25: MX61.2 264.9,33.52 D28.2
Net-(D29-A1): length 11.3
  Top w0.25: MX79.2 MX64.2
  Bottom w0.25: D29.1 29.47,14.47 MX79.2
Net-(D29-A2): length 13.3
  Top w0.25: MX63.2 MX62.2
  Bottom w0.25: MX62.2 26.91,14.47 D29.2
Net-(D30-A2): length 6.2
  Top w0.25: MX66.2 MX65.2
  Bottom w0.25: D30.2 67.39,14.47 MX65.2
Net-(D31-A1): length 24.4
  Top w0.25: MX68.2 MX78.2
  Bottom w0.25: D31.1 126.77,12.42 MX74.1 130.81,15.98 138.76,15.98 MX68.2
Net-(D31-A2): length 18.1
  Bottom w0.25: D31.2 122.16,14.47 MX67.2
Net-(D32-A1): length 8.9
  Bottom w0.25: MX69.2 162.82,14.47 D32.1
Net-(D33-A1): length 11.3
  Top w0.25: MX75.2 MX71.2
  Bottom w0.25: D33.1 217.59,14.47 MX75.2
Net-(D33-A2): length 10.9
  Bottom w0.25: D33.2 215.02,14.47 MX70.2
Net-(D34-A1): length 11.3
  Top w0.25: MX73.2 MX77.2
  Bottom w0.25: MX73.2 265.21,14.47 D34.1
Net-(D34-A2): length 13.3
  Top w0.25: MX72.2 MX76.2
  Bottom w0.25: MX76.2 262.65,14.47 D34.2
Net-(U1-PB0): length 4.7
  Bottom w0.25: U1.8 146.11,63.19 148.55,63.19 PB0.1
Net-(U1-PE2/~{HWB}): length 2.7
  Bottom w0.25: R2.2 136.35,60.08 138.04,60.08 U1.33
Net-(U1-PE6): length 13.1
  Top w0.25: v1(140.32,70.97) 140.05,70.7 140.05,68.32 v1(142.6,65.77)
  Bottom w0.25: U1.1 143.08,65.29 v1(142.6,65.77) ; PE6.1 145.62,69.74 144.39,70.97 140.33,70.97 v1(140.32,70.97)
Net-(U1-PF7): length 7.8
  Bottom w0.25: PF7.1 133.57,62.72 138.63,62.72 U1.36
Net-(U1-UCap): length 2
  Bottom w0.25: C8.2 145.85,64.35 U1.6

## Copper pours and planes (outline as drawn; the poured copper is in the pictures)
GND on Top, Bottom: 296.28,-16.94 -15.31,-16.68 -15.56,115.58 296.02,115.58

Small or netless copper shapes (teardrops, artwork), in the pictures only: 220 on Top, 267 on Bottom

## Text on the board
F.Mask: PCB design by: | Synth Labs 060 | 0xCB
